# Allegro board 1281021_HW-FMC-XM500_Rev1_0.brd (continued)
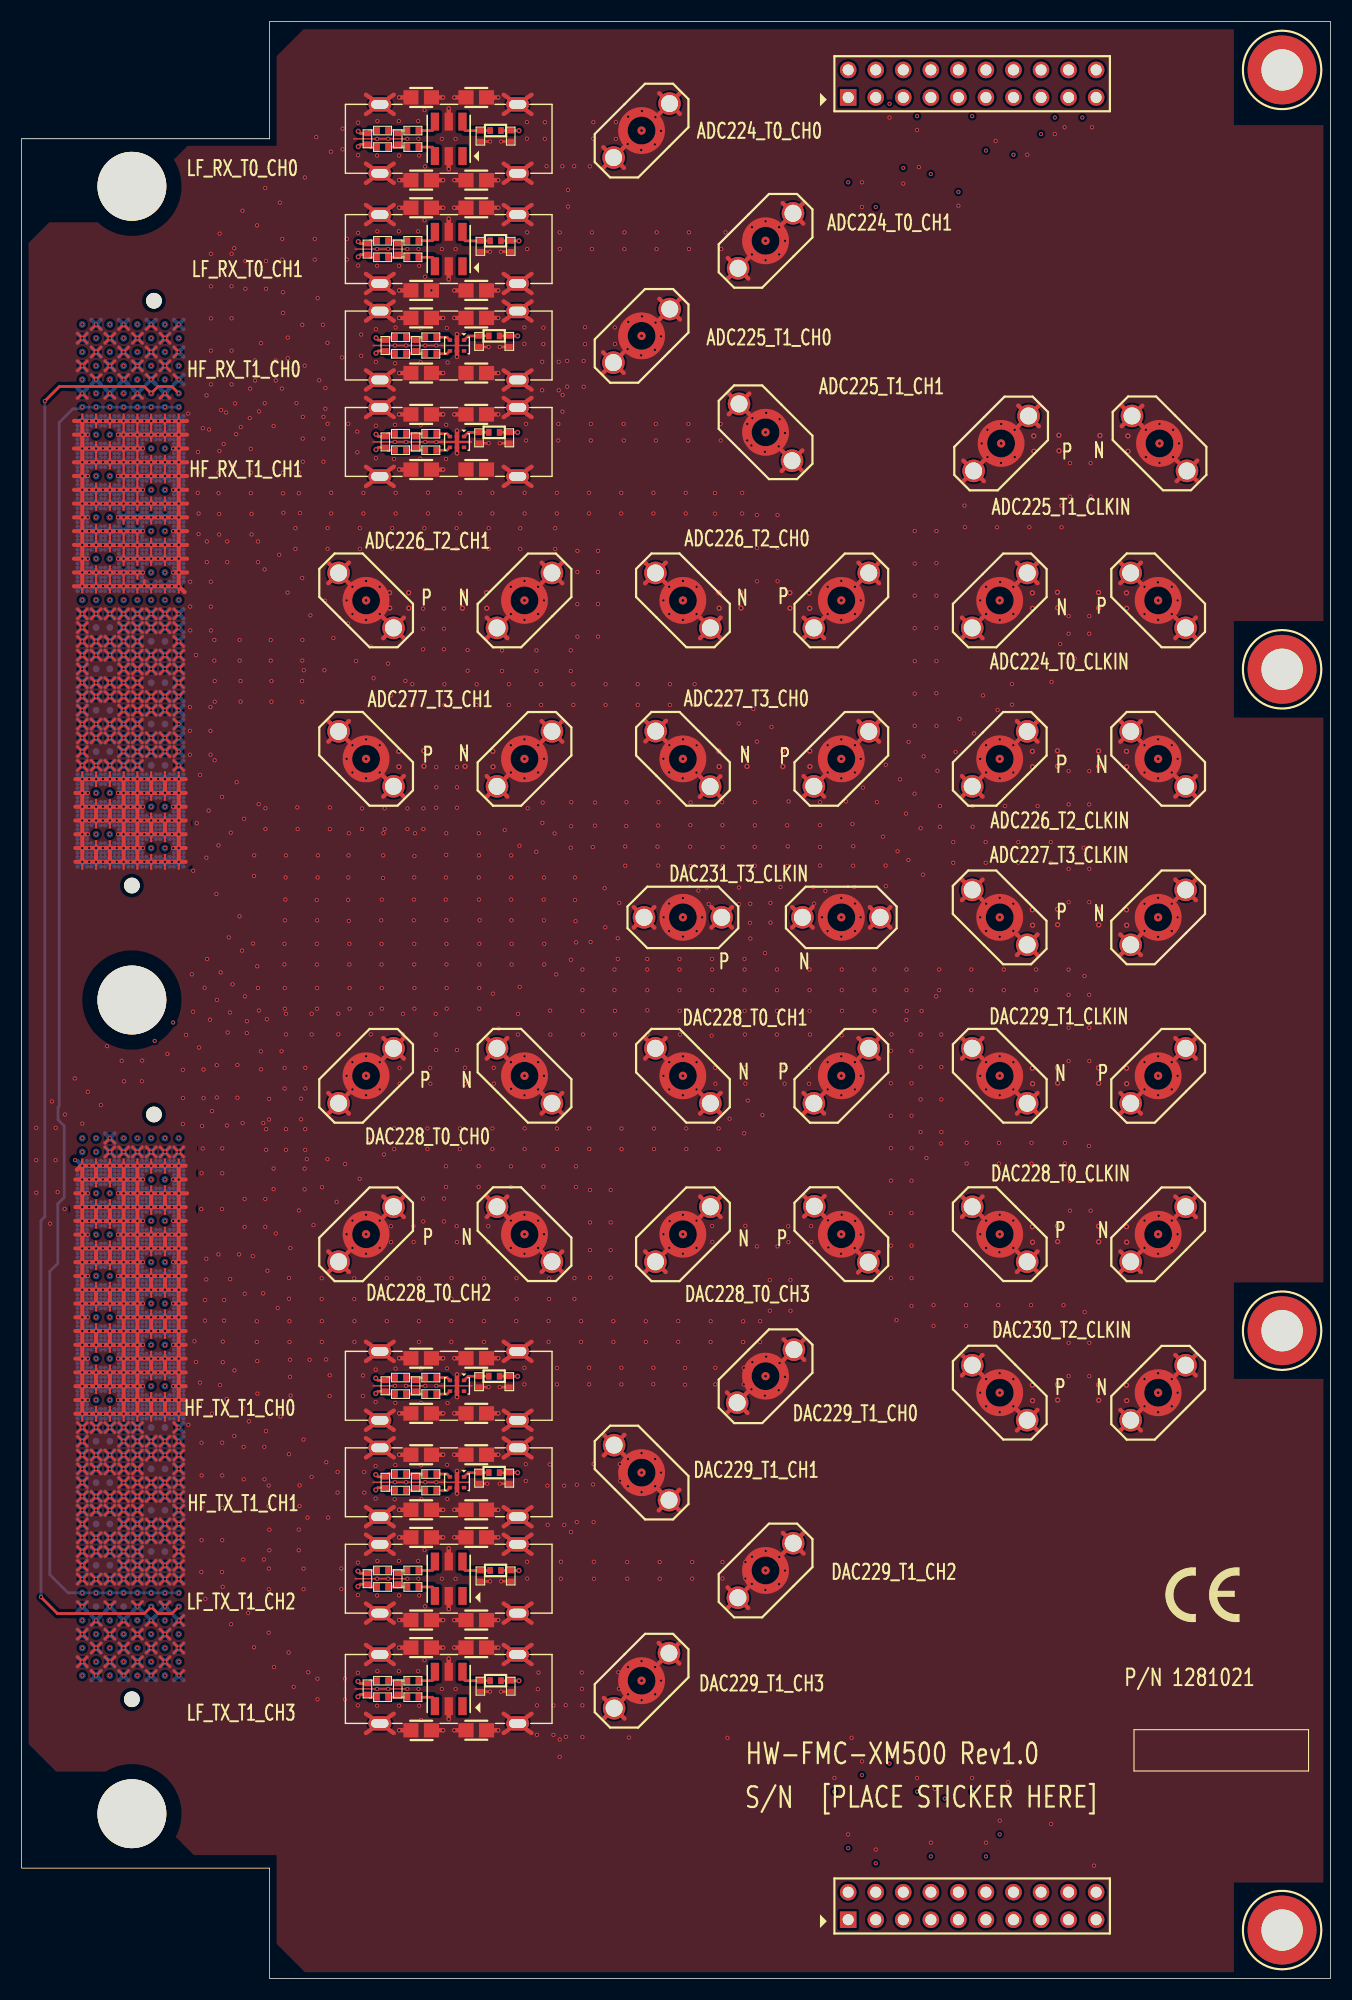
[diagram p0: board, top side]
## Routing (per net, layer and track width the routed paths; a pad name or vN(x,y) marks a point on that pad's centre or on a via; arc(x,y) is an arc through that point) (continued)
; J37.2 78.1,113.66 ; J37.2 79.37,114.93 ; 45.72,152.78 RFCAGE6.3 ; RFCAGE6.3 47,153.67 ; RFCAGE6.3 44.44,153.67 ; RFCAGE6.3 45.72,154.56 ; v2(14.48,30.45) 14.82,30.79 ; v2(14.48,30.45) 14.82,30.1 ; v2(14.48,30.45) 14.14,30.1 ; v2(14.48,30.45) 14.14,30.79 ; 10.33,122.88 v2(10.67,123.22) ; v2(10.67,123.22) 11.01,123.57 ; v2(10.67,123.22) 10.33,123.57 ; v2(10.67,123.22) 11.01,122.88 ; J35.3 48.89,130.8 ; J35.3 48.89,128.26 ; J35.3 50.16,129.53 ; J35.3 47.62,129.53 ; 7.79,38.99 v2(8.13,39.34) ; v2(8.13,39.34) 8.47,39.68 ; v2(8.13,39.34) 8.47,38.99 ; v2(8.13,39.34) 7.79,39.68 ; 10.33,47.88 v2(10.67,48.23) ; v2(10.67,48.23) 11.01,47.88 ; v2(10.67,48.23) 11.01,48.57 ; v2(10.67,48.23) 10.33,48.57 ; 10.33,114.68 v2(10.67,114.33) ; v2(10.67,114.33) 11.01,113.99 ; v2(10.67,114.33) 10.33,113.99 ; v2(10.67,114.33) 11.01,114.68 ; 5.25,46.03 v2(5.59,45.69) ; v2(5.59,45.69) 5.93,46.03 ; v2(5.59,45.69) 5.93,45.34 ; v2(5.59,45.69) 5.25,45.34 ; 5.25,38.99 v2(5.59,39.34) ; v2(5.59,39.34) 5.93,39.68 ; v2(5.59,39.34) 5.93,38.99 ; v2(5.59,39.34) 5.25,39.68 ; v2(5.59,115.6) 5.93,115.95 ; v2(5.59,115.6) 5.25,115.95 ; v2(5.59,115.6) 5.25,115.26 ; v2(5.59,115.6) 5.93,115.26 ; 33.02,48 RFCAGE3.4 ; RFCAGE3.4 31.74,48.9 ; RFCAGE3.4 33.02,49.79 ; RFCAGE3.4 34.3,48.9 ; 44.44,42.55 RFCAGE3.2 ; RFCAGE3.2 47,42.55 ; RFCAGE3.2 45.72,43.44 ; RFCAGE3.2 45.72,41.65 ; v2(5.59,120.68) 5.93,120.34 ; v2(5.59,120.68) 5.93,121.03 ; v2(5.59,120.68) 5.25,121.03 ; v2(5.59,120.68) 5.25,120.34 ; 7.79,76.51 v2(8.13,76.17) ; v2(8.13,76.17) 8.47,75.82 ; v2(8.13,76.17) 8.47,76.51 ; v2(8.13,76.17) 7.79,75.82 ; 11.6,38.41 v2(11.94,38.07) ; v2(11.94,38.07) 11.6,37.72 ; v2(11.94,38.07) 12.28,37.72 ; v2(11.94,38.07) 12.28,38.41 ; 33.02,50.54 RFCAGE4.1 ; RFCAGE4.1 33.02,52.33 ; RFCAGE4.1 34.3,51.44 ; RFCAGE4.1 31.74,51.44 ; v2(11.94,124.49) 12.28,124.15 ; v2(11.94,124.49) 11.6,124.15 ; v2(11.94,124.49) 12.28,124.84 ; v2(11.94,124.49) 11.6,124.84 ; v2(8.13,151.16) 8.47,151.51 ; v2(8.13,151.16) 8.47,150.82 ; v2(8.13,151.16) 7.79,151.51 ; v2(8.13,151.16) 7.79,150.82 ; 12.87,146.43 v2(13.21,146.08) ; v2(13.21,146.08) 13.55,145.74 ; v2(13.21,146.08) 13.55,146.43 ; v2(13.21,146.08) 12.87,145.74 ; J890.3 108.71,138.94 ; J890.3 107.43,137.67 ; J890.3 106.16,138.94 ; J890.3 107.43,140.21 ; 33.01,71.11 J22.3 ; J22.3 34.28,72.38 ; J22.3 34.28,69.84 ; J22.3 35.55,71.11 ; 9.06,75.82 v2(9.4,76.17) ; v2(9.4,76.17) 9.06,76.51 ; v2(9.4,76.17) 9.74,75.82 ; v2(9.4,76.17) 9.74,76.51 ; 12.87,113.99 v2(13.21,114.33) ; v2(13.21,114.33) 13.55,113.99 ; v2(13.21,114.33) 13.55,114.68 ; v2(13.21,114.33) 12.87,114.68 ; v2(6.86,27.91) 7.2,27.56 ; v2(6.86,27.91) 7.2,28.25 ; v2(6.86,27.91) 6.52,28.25 ; v2(6.86,27.91) 6.52,27.56 ; RFCAGE1.3 47,29.84 ; RFCAGE1.3 45.72,28.95 ; RFCAGE1.3 44.44,29.84 ; RFCAGE1.3 45.72,30.74 ; 9.06,122.88 v2(9.4,123.22) ; v2(9.4,123.22) 9.06,123.57 ; v2(9.4,123.22) 9.74,123.57 ; v2(9.4,123.22) 9.74,122.88 ; v2(14.48,123.22) 14.82,123.57 ; v2(14.48,123.22) 14.14,123.57 ; v2(14.48,123.22) 14.82,122.88 ; v2(14.48,123.22) 14.14,122.88 ; v2(8.13,77.44) 8.47,77.09 ; v2(8.13,77.44) 7.79,77.09 ; v2(8.13,77.44) 8.47,77.78 ; v2(8.13,77.44) 7.79,77.78 ; 92.7,64.78 J28.3 ; J28.3 92.7,67.32 ; J28.3 91.43,66.05 ; J28.3 93.97,66.05 ; 10.33,29.52 v2(10.67,29.18) ; v2(10.67,29.18) 10.33,28.83 ; v2(10.67,29.18) 11.01,28.83 ; v2(10.67,29.18) 11.01,29.52 ; v2(10.67,148.62) 11.01,148.28 ; v2(10.67,148.62) 10.33,148.28 ; v2(10.67,148.62) 10.33,148.97 ; v2(10.67,148.62) 11.01,148.97 ; v2(5.59,36.8) 5.93,36.45 ; v2(5.59,36.8) 5.25,37.14 ; v2(5.59,36.8) 5.25,36.45 ; v2(5.59,36.8) 5.93,37.14 ; v2(14.48,46.96) 14.82,47.3 ; v2(14.48,46.96) 14.14,47.3 ; v2(14.48,46.96) 14.82,46.61 ; v2(14.48,46.96) 14.14,46.61 ; 10.33,33.91 v2(10.67,34.26) ; v2(10.67,34.26) 11.01,34.6 ; v2(10.67,34.26) 11.01,33.91 ; v2(10.67,34.26) 10.33,34.6 ; v2(11.94,30.45) 12.28,30.1 ; v2(11.94,30.45) 11.6,30.1 ; v2(11.94,30.45) 11.6,30.79 ; v2(11.94,30.45) 12.28,30.79 ; 9.06,120.34 v2(9.4,120.68) ; v2(9.4,120.68) 9.74,121.03 ; v2(9.4,120.68) 9.06,121.03 ; v2(9.4,120.68) 9.74,120.34 ; 31.74,153.67 RFCAGE6.4 ; RFCAGE6.4 33.02,152.78 ; RFCAGE6.4 34.3,153.67 ; RFCAGE6.4 33.02,154.56 ; 62.2,109.84 J36.2 ; J36.2 64.74,109.84 ; J36.2 63.47,111.11 ; J36.2 63.47,108.57 ; v2(5.59,146.08) 5.93,145.74 ; v2(5.59,146.08) 5.93,146.43 ; v2(5.59,146.08) 5.25,146.43 ; v2(5.59,146.08) 5.25,145.74 ; v2(13.21,118.14) 13.55,117.8 ; v2(13.21,118.14) 13.55,118.49 ; v2(13.21,118.14) 12.87,118.49 ; v2(13.21,118.14) 12.87,117.8 ; 10.33,51.11 v2(10.67,50.77) ; v2(10.67,50.77) 11.01,51.11 ; v2(10.67,50.77) 11.01,50.42 ; v2(10.67,50.77) 10.33,50.42 ; v2(14.48,114.33) 14.82,113.99 ; v2(14.48,114.33) 14.14,113.99 ; v2(14.48,114.33) 14.14,114.68 ; v2(14.48,114.33) 14.82,114.68 ; J32.2 64.76,124.47 ; J32.2 63.49,123.2 ; J32.2 63.49,125.74 ; J32.2 62.22,124.47 ; 10.33,117.8 v2(10.67,118.14) ; v2(10.67,118.14) 10.33,118.49 ; v2(10.67,118.14) 11.01,118.49 ; v2(10.67,118.14) 11.01,117.8 ; v2(6.86,50.77) 7.2,51.11 ; v2(6.86,50.77) 6.52,50.42 ; v2(6.86,50.77) 7.2,50.42 ; v2(6.86,50.77) 6.52,51.11 ; RFCAGE1.1 34.3,23.49 ; RFCAGE1.1 33.02,24.39 ; RFCAGE1.1 33.02,22.6 ; RFCAGE1.1 31.74,23.49 ; v2(6.86,121.95) 7.2,121.61 ; v2(6.86,121.95) 6.52,121.61 ; v2(6.86,121.95) 7.2,122.3 ; v2(6.86,121.95) 6.52,122.3 ; 11.6,27.56 v2(11.94,27.91) ; v2(11.94,27.91) 12.28,27.56 ; v2(11.94,27.91) 11.6,28.25 ; v2(11.94,27.91) 12.28,28.25 ; v2(6.86,152.43) 7.2,152.09 ; v2(6.86,152.43) 7.2,152.78 ; v2(6.86,152.43) 6.52,152.09 ; v2(6.86,152.43) 6.52,152.78 ; 91.43,95.26 J891.2 ; J891.2 92.7,96.53 ; J891.2 93.97,95.26 ; J891.2 92.7,93.99 ; 12.87,124.15 v2(13.21,124.49) ; v2(13.21,124.49) 12.87,124.84 ; v2(13.21,124.49) 13.55,124.84 ; v2(13.21,124.49) 13.55,124.15 ; v2(5.59,119.41) 5.93,119.76 ; v2(5.59,119.41) 5.25,119.07 ; v2(5.59,119.41) 5.25,119.76 ; v2(5.59,119.41) 5.93,119.07 ; 10.33,44.76 v2(10.67,44.42) ; v2(10.67,44.42) 11.01,44.07 ; v2(10.67,44.42) 11.01,44.76 ; v2(10.67,44.42) 10.33,44.07 ; 14.14,38.41 v2(14.48,38.07) ; v2(14.48,38.07) 14.14,37.72 ; v2(14.48,38.07) 14.82,37.72 ; v2(14.48,38.07) 14.82,38.41 ; v2(8.13,48.23) 8.47,47.88 ; v2(8.13,48.23) 8.47,48.57 ; v2(8.13,48.23) 7.79,48.57 ; v2(8.13,48.23) 7.79,47.88 ; 7.79,28.83 v2(8.13,29.18) ; v2(8.13,29.18) 8.47,29.52 ; v2(8.13,29.18) 8.47,28.83 ; v2(8.13,29.18) 7.79,29.52 ; v2(5.59,44.42) 5.93,44.07 ; v2(5.59,44.42) 5.25,44.76 ; v2(5.59,44.42) 5.25,44.07 ; v2(5.59,44.42) 5.93,44.76 ; v2(5.59,38.07) 5.93,37.72 ; v2(5.59,38.07) 5.93,38.41 ; v2(5.59,38.07) 5.25,37.72 ; v2(5.59,38.07) 5.25,38.41 ; v2(9.4,40.61) 9.74,40.26 ; v2(9.4,40.61) 9.06,40.95 ; v2(9.4,40.61) 9.06,40.26 ; v2(9.4,40.61) 9.74,40.95 ; v2(6.86,123.22) 7.2,123.57 ; v2(6.86,123.22) 6.52,123.57 ; v2(6.86,123.22) 7.2,122.88 ; v2(6.86,123.22) 6.52,122.88 ; v2(5.59,41.88) 5.93,41.53 ; v2(5.59,41.88) 5.25,42.22 ; v2(5.59,41.88) 5.25,41.53 ; v2(5.59,41.88) 5.93,42.22 ; 9.06,38.99 v2(9.4,39.34) ; v2(9.4,39.34) 9.06,39.68 ; v2(9.4,39.34) 9.74,39.68 ; v2(9.4,39.34) 9.74,38.99 ; 14.14,42.8 v2(14.48,43.15) ; v2(14.48,43.15) 14.82,43.49 ; v2(14.48,43.15) 14.14,43.49 ; v2(14.48,43.15) 14.82,42.8 ; v2(9.4,114.33) 9.74,113.99 ; v2(9.4,114.33) 9.06,113.99 ; v2(9.4,114.33) 9.74,114.68 ; v2(9.4,114.33) 9.06,114.68 ; J893.2 93.97,114.93 ; J893.2 91.43,114.93 ; J893.2 92.7,113.66 ; J893.2 92.7,116.2 ; v2(14.48,111.79) 14.82,112.14 ; v2(14.48,111.79) 14.14,112.14 ; v2(14.48,111.79) 14.14,111.45 ; v2(14.48,111.79) 14.82,111.45 ; v2(8.13,115.6) 8.47,115.26 ; v2(8.13,115.6) 8.47,115.95 ; v2(8.13,115.6) 7.79,115.95 ; v2(8.13,115.6) 7.79,115.26 ; v2(6.86,48.23) 7.2,47.88 ; v2(6.86,48.23) 6.52,47.88 ; v2(6.86,48.23) 7.2,48.57 ; v2(6.86,48.23) 6.52,48.57 ; 6.52,40.26 v2(6.86,40.61) ; v2(6.86,40.61) 7.2,40.95 ; v2(6.86,40.61) 6.52,40.95 ; v2(6.86,40.61) 7.2,40.26 ; J26.3 30.49,80.65 ; J26.3 29.22,79.38 ; J26.3 29.22,81.92 ; 12.87,112.72 v2(13.21,113.06) ; v2(13.21,113.06) 13.55,112.72 ; v2(13.21,113.06) 12.87,113.41 ; v2(13.21,113.06) 13.55,113.41 ; v2(10.67,121.95) 11.01,121.61 ; v2(10.67,121.95) 10.33,122.3 ; v2(10.67,121.95) 10.33,121.61 ; v2(10.67,121.95) 11.01,122.3 ; 69.86,40.1 J5.2 ; J5.2 72.41,40.1 ; J5.2 71.13,41.38 ; J5.2 71.13,38.83 ; v2(8.13,123.22) 8.47,123.57 ; v2(8.13,123.22) 8.47,122.88 ; v2(8.13,123.22) 7.79,123.57 ; v2(8.13,123.22) 7.79,122.88 ; 12.87,121.03 v2(13.21,120.68) ; v2(13.21,120.68) 13.55,121.03 ; v2(13.21,120.68) 13.55,120.34 ; v2(13.21,120.68) 12.87,120.34 ; 59.68,28.7 J6.2 ; J6.2 59.68,31.24 ; J6.2 58.41,29.97 ; J6.2 60.95,29.97 ; J900.3 64.54,99.06 ; J900.3 64.54,96.52 ; J900.3 65.81,97.79 ; J900.3 63.27,97.79 ; 73.03,123.2 J33.2 ; J33.2 74.3,124.47 ; J33.2 71.76,124.47 ; J33.2 73.03,125.74 ; J889.2 87.76,140.21 ; J889.2 89.04,138.94 ; J889.2 86.49,138.94 ; J889.2 87.76,137.67 ; 76.83,129.53 J33.3 ; J33.3 78.1,130.8 ; J33.3 79.37,129.53 ; J33.3 78.1,128.26 ; 9.06,121.61 v2(9.4,121.95) ; v2(9.4,121.95) 9.74,121.61 ; v2(9.4,121.95) 9.74,122.3 ; v2(9.4,121.95) 9.06,122.3 ; 57.16,66.05 J25.3 ; J25.3 59.7,66.05 ; J25.3 58.43,64.78 ; J25.3 58.43,67.32 ; RFCAGE7.2 45.72,157.1 ; RFCAGE7.2 47,156.21 ; RFCAGE7.2 44.44,156.21 ; RFCAGE7.2 45.72,155.32 ; v2(14.48,44.42) 14.82,44.07 ; v2(14.48,44.42) 14.14,44.07 ; v2(14.48,44.42) 14.82,44.76 ; v2(14.48,44.42) 14.14,44.76 ; v2(10.67,31.72) 11.01,32.06 ; v2(10.67,31.72) 10.33,31.37 ; v2(10.67,31.72) 11.01,31.37 ; v2(10.67,31.72) 10.33,32.06 ; 7.79,40.95 v2(8.13,40.61) ; v2(8.13,40.61) 8.47,40.95 ; v2(8.13,40.61) 8.47,40.26 ; v2(8.13,40.61) 7.79,40.26 ; v2(10.67,120.68) 11.01,120.34 ; v2(10.67,120.68) 11.01,121.03 ; v2(10.67,120.68) 10.33,121.03 ; v2(10.67,120.68) 10.33,120.34 ; v2(11.94,41.88) 12.28,41.53 ; v2(11.94,41.88) 12.28,42.22 ; v2(11.94,41.88) 11.6,42.22 ; v2(11.94,41.88) 11.6,41.53 ; v2(5.59,46.96) 5.93,47.3 ; v2(5.59,46.96) 5.25,47.3 ; v2(5.59,46.96) 5.25,46.61 ; v2(5.59,46.96) 5.93,46.61 ; 33.02,32.76 RFCAGE2.1 ; RFCAGE2.1 31.74,33.66 ; RFCAGE2.1 33.02,34.55 ; RFCAGE2.1 34.3,33.66 ; J894.2 103.51,114.93 ; J894.2 102.24,113.66 ; J894.2 100.97,114.93 ; J894.2 102.24,116.2 ; 54.55,147.64 J2.3 ; J2.3 54.55,150.19 ; J2.3 55.83,148.92 ; J2.3 53.28,148.92 ; v2(10.67,76.17) 11.01,75.82 ; v2(10.67,76.17) 11.01,76.51 ; v2(10.67,76.17) 10.33,75.82 ; v2(10.67,76.17) 10.33,76.51 ; 6.52,37.14 v2(6.86,36.8) ; v2(6.86,36.8) 7.2,36.45 ; v2(6.86,36.8) 7.2,37.14 ; v2(6.86,36.8) 6.52,36.45 ; J29.3 107.31,72.38 ; J29.3 107.31,69.84 ; J29.3 106.04,71.11 ; J29.3 108.58,71.11 ; v2(14.48,49.5) 14.82,49.84 ; v2(14.48,49.5) 14.14,49.84 ; v2(14.48,49.5) 14.82,49.15 ; v2(14.48,49.5) 14.14,49.15 ; 5.25,124.15 v2(5.59,124.49) ; v2(5.59,124.49) 5.25,124.84 ; v2(5.59,124.49) 5.93,124.84 ; v2(5.59,124.49) 5.93,124.15 ; 9.06,43.49 v2(9.4,43.15) ; v2(9.4,43.15) 9.06,42.8 ; v2(9.4,43.15) 9.74,43.49 ; v2(9.4,43.15) 9.74,42.8 ; 11.6,149.55 v2(11.94,149.89) ; v2(11.94,149.89) 12.28,149.55 ; v2(11.94,149.89) 12.28,150.24 ; v2(11.94,149.89) 11.6,150.24 ; 14.14,42.22 v2(14.48,41.88) ; v2(14.48,41.88) 14.82,42.22 ; v2(14.48,41.88) 14.82,41.53 ; v2(14.48,41.88) 14.14,41.53 ; 9.06,149.55 v2(9.4,149.89) ; v2(9.4,149.89) 9.74,150.24 ; v2(9.4,149.89) 9.74,149.55 ; v2(9.4,149.89) 9.06,150.24 ; 44.44,144.78 RFCAGE5.3 ; RFCAGE5.3 47,144.78 ; RFCAGE5.3 45.72,143.89 ; RFCAGE5.3 45.72,145.67 ; RFCAGE2.2 47,33.66 ; RFCAGE2.2 45.72,32.76 ; RFCAGE2.2 44.44,33.66 ; RFCAGE2.2 45.72,34.55 ; 45.72,22.6 RFCAGE1.2 ; RFCAGE1.2 45.72,24.39 ; RFCAGE1.2 44.44,23.49 ; RFCAGE1.2 47,23.49 ; v2(10.67,113.06) 11.01,113.41 ; v2(10.67,113.06) 11.01,112.72 ; v2(10.67,113.06) 10.33,112.72 ; v2(10.67,113.06) 10.33,113.41 ; 14.14,116.53 v2(14.48,116.87) ; v2(14.48,116.87) 14.82,117.22 ; v2(14.48,116.87) 14.14,117.22 ; v2(14.48,116.87) 14.82,116.53 ; 5.25,33.91 v2(5.59,34.26) ; v2(5.59,34.26) 5.93,33.91 ; v2(5.59,34.26) 5.93,34.6 ; v2(5.59,34.26) 5.25,34.6 ; v2(6.86,119.41) 7.2,119.07 ; v2(6.86,119.41) 6.52,119.76 ; v2(6.86,119.41) 7.2,119.76 ; v2(6.86,119.41) 6.52,119.07 ; 33.01,124.47 J34.2 ; J34.2 34.28,125.74 ; J34.2 34.28,123.2 ; J34.2 35.55,124.47 ; 66.03,33.81 J5.3 ; J5.3 64.75,35.08 ; J5.3 66.03,36.35 ; J5.3 67.3,35.08 ; v2(11.94,49.5) 12.28,49.15 ; v2(11.94,49.5) 12.28,49.84 ; v2(11.94,49.5) 11.6,49.15 ; v2(11.94,49.5) 11.6,49.84 ; 53.3,167.82 J4.3 ; J4.3 55.85,167.82 ; J4.3 54.57,169.09 ; J4.3 54.57,166.55 ; J26.2 34.28,86.99 ; J26.2 33.01,85.72 ; J26.2 35.55,85.72 ; J26.2 34.28,84.45 ; v2(14.48,115.6) 14.82,115.26 ; v2(14.48,115.6) 14.14,115.95 ; v2(14.48,115.6) 14.82,115.95 ; v2(14.48,115.6) 14.14,115.26 ; J896.2 103.51,80.65 ; J896.2 100.97,80.65 ; J896.2 102.24,81.92 ; J896.2 102.24,79.38 ; v2(10.67,116.87) 11.01,117.22 ; v2(10.67,116.87) 10.33,117.22 ; v2(10.67,116.87) 11.01,116.53 ; v2(10.67,116.87) 10.33,116.53 ; 71.02,138.6 J1.3 ; J1.3 72.29,139.87 ; J1.3 71.02,141.15 ; J1.3 69.75,139.87 ; v2(14.48,119.41) 14.82,119.07 ; v2(14.48,119.41) 14.14,119.76 ; v2(14.48,119.41) 14.14,119.07 ; v2(14.48,119.41) 14.82,119.76 ; v2(9.4,30.45) 9.74,30.79 ; v2(9.4,30.45) 9.74,30.1 ; v2(9.4,30.45) 9.06,30.1 ; v2(9.4,30.45) 9.06,30.79 ; 34.28,108.59 J39.3 ; J39.3 33.01,109.86 ; J39.3 35.55,109.86 ; J39.3 34.28,111.13 ; v2(6.86,46.96) 7.2,46.61 ; v2(6.86,46.96) 6.52,46.61 ; v2(6.86,46.96) 7.2,47.3 ; v2(6.86,46.96) 6.52,47.3 ; v2(14.48,113.06) 14.82,113.41 ; v2(14.48,113.06) 14.14,112.72 ; v2(14.48,113.06) 14.14,113.41 ; v2(14.48,113.06) 14.82,112.72 ; 10.33,37.72 v2(10.67,38.07) ; v2(10.67,38.07) 11.01,38.41 ; v2(10.67,38.07) 10.33,38.41 ; v2(10.67,38.07) 11.01,37.72 ; v2(6.86,44.42) 7.2,44.07 ; v2(6.86,44.42) 6.52,44.07 ; v2(6.86,44.42) 6.52,44.76 ; v2(6.86,44.42) 7.2,44.76 ; 33.02,41.65 RFCAGE3.1 ; RFCAGE3.1 33.02,43.44 ; RFCAGE3.1 31.74,42.55 ; RFCAGE3.1 34.3,42.55 ; J898.3 92.7,52.71 ; J898.3 92.7,50.17 ; J898.3 91.43,51.44 ; J898.3 93.97,51.44 ; 5.25,49.15 v2(5.59,49.5) ; v2(5.59,49.5) 5.93,49.84 ; v2(5.59,49.5) 5.25,49.84 ; v2(5.59,49.5) 5.93,49.15 ; 11.6,147.01 v2(11.94,147.35) ; v2(11.94,147.35) 12.28,147.7 ; v2(11.94,147.35) 11.6,147.7 ; v2(11.94,147.35) 12.28,147.01 ; 9.06,32.64 v2(9.4,32.99) ; v2(9.4,32.99) 9.74,32.64 ; v2(9.4,32.99) 9.06,33.33 ; v2(9.4,32.99) 9.74,33.33 ; 11.6,118.49 v2(11.94,118.14) ; v2(11.94,118.14) 12.28,117.8 ; v2(11.94,118.14) 12.28,118.49 ; v2(11.94,118.14) 11.6,117.8 ; 87.64,69.84 J28.2 ; J28.2 88.91,71.11 ; J28.2 87.64,72.38 ; J28.2 86.37,71.11 ; v2(5.59,114.33) 5.93,113.99 ; v2(5.59,114.33) 5.93,114.68 ; v2(5.59,114.33) 5.25,114.68 ; v2(5.59,114.33) 5.25,113.99 ; 14.14,51.11 v2(14.48,50.77) ; v2(14.48,50.77) 14.14,50.42 ; v2(14.48,50.77) 14.82,51.11 ; v2(14.48,50.77) 14.82,50.42 ; 12.87,125.42 v2(13.21,125.76) ; v2(13.21,125.76) 13.55,126.11 ; v2(13.21,125.76) 13.55,125.42 ; v2(13.21,125.76) 12.87,126.11 ; v2(8.13,146.08) 8.47,145.74 ; v2(8.13,146.08) 7.79,146.43 ; v2(8.13,146.08) 8.47,146.43 ; v2(8.13,146.08) 7.79,145.74 ; 58.43,128.26 J32.3 ; J32.3 58.43,130.8 ; J32.3 57.16,129.53 ; J32.3 59.7,129.53 ; J34.3 29.22,130.8 ; J34.3 30.49,129.53 ; J34.3 27.95,129.53 ; J34.3 29.22,128.26 ; 6.52,42.8 v2(6.86,43.15) ; v2(6.86,43.15) 7.2,43.49 ; v2(6.86,43.15) 7.2,42.8 ; v2(6.86,43.15) 6.52,43.49 ; 58.41,44.08 J8.2 ; J8.2 60.95,44.08 ; J8.2 59.68,45.35 ; J8.2 59.68,42.8